# Altium PCB MotherBoard.PcbDoc (part 2 of 10)
Units mm, origin at the board's own origin, x right, y up, seen from the top; angles counter-clockwise.
Board outline 200 x 200 mm, 8 copper layers (Top Layer, Ground, Signal Layer 1, Power, Power 2, Signal Layer 2, Ground 2, Bottom Layer), stack 1.494 mm thick; 819 components, 704 nets, 3400 pads, 2339 vias.
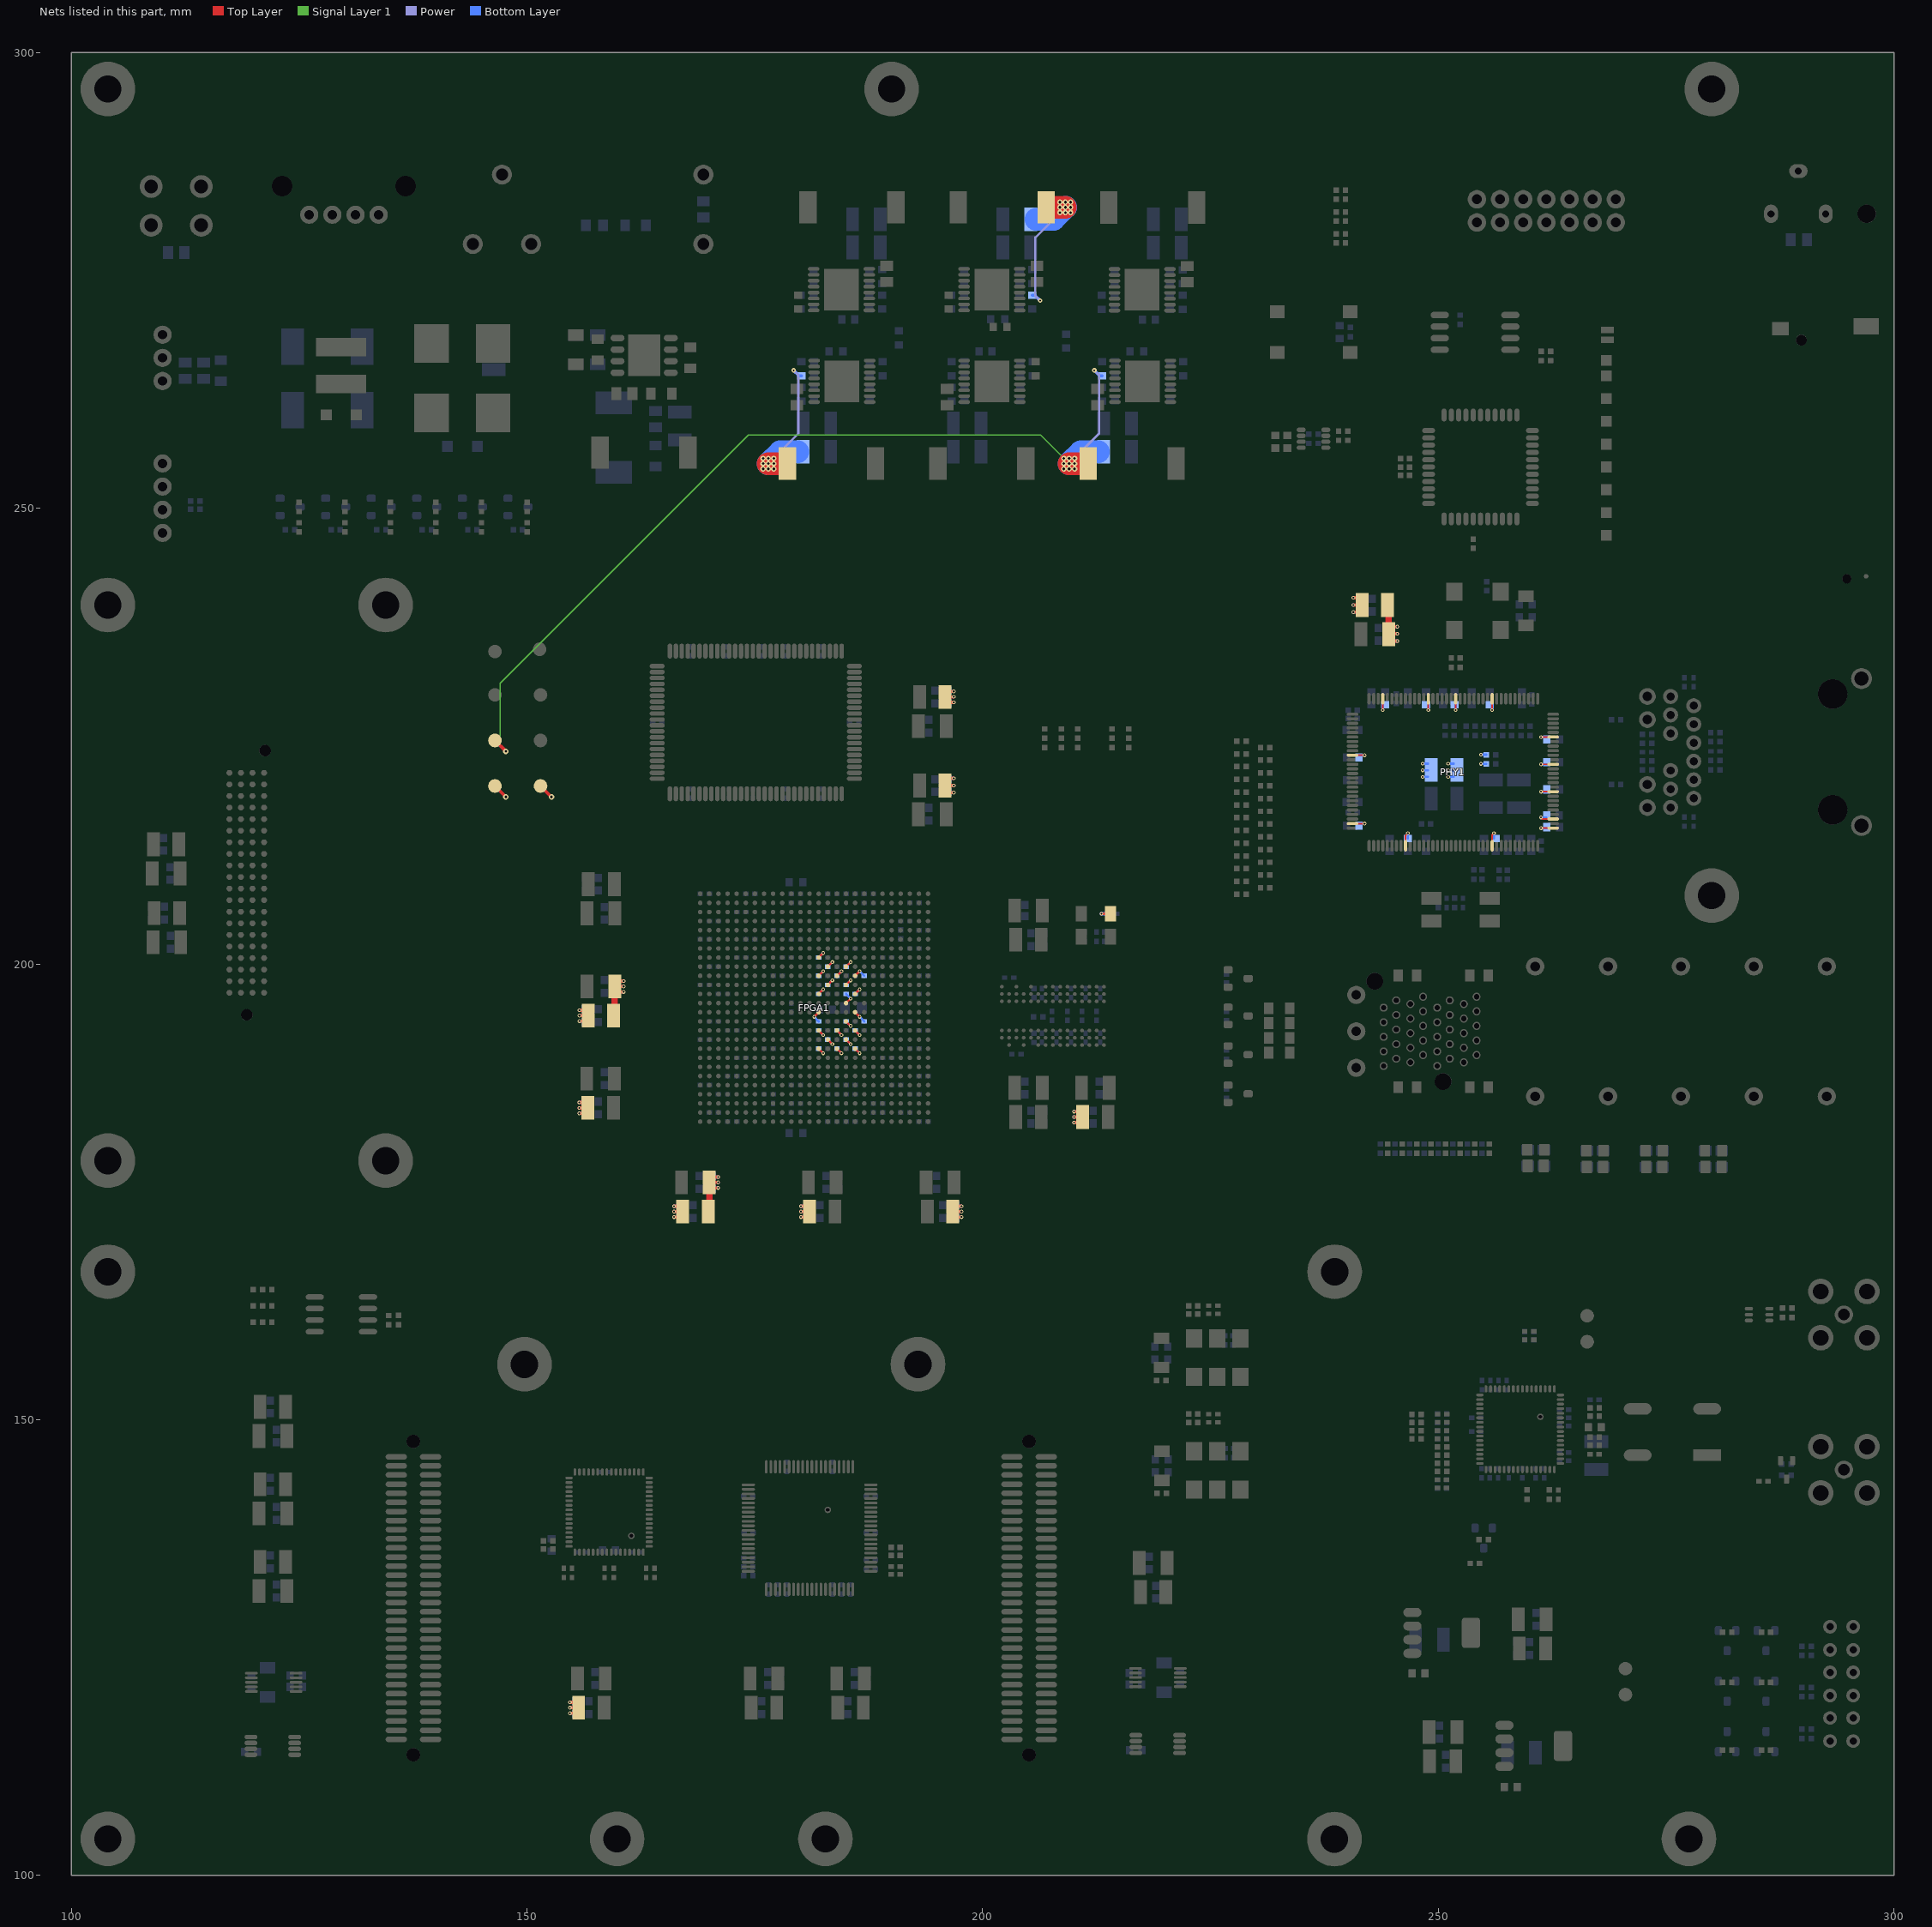
[diagram p8: the nets of this part, all layers, seen from the top]

## Footprints (in the part's own frame and the unit in brackets; to place one, negate y for a bottom-side part, rotate by r counter-clockwise, add the part's x,y. Pads: shape width x height; smd on the part's side, far side on the other; paste and mask are expansions set on the pad) (continued)
FGG676 [mm] "BGA, 676-Balls, Body 27x27mm, Pitch 1.0mm"
  round 0.5 smd: A1(-12.5,12.5) A2(-11.5,12.5) A3(-10.5,12.5) A4(-9.5,12.5) A5(-8.5,12.5) A6(-7.5,12.5) A7(-6.5,12.5) A8(-5.5,12.5) A9(-4.5,12.5) A10(-3.5,12.5) A11(-2.5,12.5) A12(-1.5,12.5) A13(-0.5,12.5) A14(0.5,12.5) A15(1.5,12.5) A16(2.5,12.5) A17(3.5,12.5) A18(4.5,12.5) A19(5.5,12.5) A20(6.5,12.5) A21(7.5,12.5) A22(8.5,12.5) A23(9.5,12.5) A24(10.5,12.5) A25(11.5,12.5) A26(12.5,12.5) AA1(-12.5,-7.5) AA2(-11.5,-7.5) AA3(-10.5,-7.5) AA4(-9.5,-7.5) AA5(-8.5,-7.5) AA6(-7.5,-7.5) AA7(-6.5,-7.5) AA8(-5.5,-7.5) AA9(-4.5,-7.5) AA10(-3.5,-7.5) AA11(-2.5,-7.5) AA12(-1.5,-7.5) AA13(-0.5,-7.5) AA14(0.5,-7.5) AA15(1.5,-7.5) AA16(2.5,-7.5) AA17(3.5,-7.5) AA18(4.5,-7.5) AA19(5.5,-7.5) AA20(6.5,-7.5) AA21(7.5,-7.5) AA22(8.5,-7.5) AA23(9.5,-7.5) AA24(10.5,-7.5) AA25(11.5,-7.5) AA26(12.5,-7.5) AB1(-12.5,-8.5) AB2(-11.5,-8.5) AB3(-10.5,-8.5) AB4(-9.5,-8.5) AB5(-8.5,-8.5) AB6(-7.5,-8.5) AB7(-6.5,-8.5) AB8(-5.5,-8.5) AB9(-4.5,-8.5) AB10(-3.5,-8.5) AB11(-2.5,-8.5) AB12(-1.5,-8.5) AB13(-0.5,-8.5) AB14(0.5,-8.5) AB15(1.5,-8.5) AB16(2.5,-8.5) AB17(3.5,-8.5) AB18(4.5,-8.5) AB19(5.5,-8.5) AB20(6.5,-8.5) AB21(7.5,-8.5) AB22(8.5,-8.5) AB23(9.5,-8.5) AB24(10.5,-8.5) AB25(11.5,-8.5) AB26(12.5,-8.5) AC1(-12.5,-9.5) AC2(-11.5,-9.5) AC3(-10.5,-9.5) AC4(-9.5,-9.5) AC5(-8.5,-9.5) AC6(-7.5,-9.5) AC7(-6.5,-9.5) AC8(-5.5,-9.5) AC9(-4.5,-9.5) AC10(-3.5,-9.5) AC11(-2.5,-9.5) AC12(-1.5,-9.5) AC13(-0.5,-9.5) AC14(0.5,-9.5) AC15(1.5,-9.5) AC16(2.5,-9.5) AC17(3.5,-9.5) AC18(4.5,-9.5) AC19(5.5,-9.5) AC20(6.5,-9.5) AC21(7.5,-9.5) AC22(8.5,-9.5) AC23(9.5,-9.5) AC24(10.5,-9.5) AC25(11.5,-9.5) AC26(12.5,-9.5) AD1(-12.5,-10.5) AD2(-11.5,-10.5) AD3(-10.5,-10.5) AD4(-9.5,-10.5) AD5(-8.5,-10.5) AD6(-7.5,-10.5) AD7(-6.5,-10.5) AD8(-5.5,-10.5) AD9(-4.5,-10.5) AD10(-3.5,-10.5) AD11(-2.5,-10.5) AD12(-1.5,-10.5) AD13(-0.5,-10.5) AD14(0.5,-10.5) AD15(1.5,-10.5) AD16(2.5,-10.5) AD17(3.5,-10.5) AD18(4.5,-10.5) AD19(5.5,-10.5) AD20(6.5,-10.5) AD21(7.5,-10.5) AD22(8.5,-10.5) AD23(9.5,-10.5) AD24(10.5,-10.5) AD25(11.5,-10.5) AD26(12.5,-10.5) AE1(-12.5,-11.5) AE2(-11.5,-11.5) AE3(-10.5,-11.5) AE4(-9.5,-11.5) AE5(-8.5,-11.5) AE6(-7.5,-11.5) AE7(-6.5,-11.5) AE8(-5.5,-11.5) AE9(-4.5,-11.5) AE10(-3.5,-11.5) AE11(-2.5,-11.5) AE12(-1.5,-11.5) AE13(-0.5,-11.5) AE14(0.5,-11.5) AE15(1.5,-11.5) AE16(2.5,-11.5) AE17(3.5,-11.5) AE18(4.5,-11.5) AE19(5.5,-11.5) AE20(6.5,-11.5) AE21(7.5,-11.5) AE22(8.5,-11.5) AE23(9.5,-11.5) AE24(10.5,-11.5) AE25(11.5,-11.5) AE26(12.5,-11.5) AF1(-12.5,-12.5) AF2(-11.5,-12.5) AF3(-10.5,-12.5) AF4(-9.5,-12.5) AF5(-8.5,-12.5) AF6(-7.5,-12.5) AF7(-6.5,-12.5) AF8(-5.5,-12.5) AF9(-4.5,-12.5) AF10(-3.5,-12.5) AF11(-2.5,-12.5) AF12(-1.5,-12.5) AF13(-0.5,-12.5) AF14(0.5,-12.5) AF15(1.5,-12.5) AF16(2.5,-12.5) AF17(3.5,-12.5) AF18(4.5,-12.5) AF19(5.5,-12.5) AF20(6.5,-12.5) AF21(7.5,-12.5) AF22(8.5,-12.5) AF23(9.5,-12.5) AF24(10.5,-12.5) AF25(11.5,-12.5) AF26(12.5,-12.5) B1(-12.5,11.5) B2(-11.5,11.5) B3(-10.5,11.5) B4(-9.5,11.5) B5(-8.5,11.5) B6(-7.5,11.5) B7(-6.5,11.5) B8(-5.5,11.5) B9(-4.5,11.5) B10(-3.5,11.5) B11(-2.5,11.5) B12(-1.5,11.5) B13(-0.5,11.5) B14(0.5,11.5) B15(1.5,11.5) B16(2.5,11.5) B17(3.5,11.5) B18(4.5,11.5) B19(5.5,11.5) B20(6.5,11.5) B21(7.5,11.5) B22(8.5,11.5) B23(9.5,11.5) B24(10.5,11.5) B25(11.5,11.5) B26(12.5,11.5) C1(-12.5,10.5) C2(-11.5,10.5) C3(-10.5,10.5) C4(-9.5,10.5) C5(-8.5,10.5) C6(-7.5,10.5) C7(-6.5,10.5) C8(-5.5,10.5) C9(-4.5,10.5) C10(-3.5,10.5) C11(-2.5,10.5) C12(-1.5,10.5) C13(-0.5,10.5) C14(0.5,10.5) C15(1.5,10.5) C16(2.5,10.5) C17(3.5,10.5) C18(4.5,10.5) C19(5.5,10.5) C20(6.5,10.5) C21(7.5,10.5) C22(8.5,10.5) C23(9.5,10.5) C24(10.5,10.5) C25(11.5,10.5) C26(12.5,10.5) D1(-12.5,9.5) D2(-11.5,9.5) D3(-10.5,9.5) D4(-9.5,9.5) D5(-8.5,9.5) D6(-7.5,9.5) D7(-6.5,9.5) D8(-5.5,9.5) D9(-4.5,9.5) D10(-3.5,9.5) D11(-2.5,9.5) D12(-1.5,9.5) D13(-0.5,9.5) D14(0.5,9.5) D15(1.5,9.5) D16(2.5,9.5) D17(3.5,9.5) D18(4.5,9.5) D19(5.5,9.5) D20(6.5,9.5) D21(7.5,9.5) D22(8.5,9.5) D23(9.5,9.5) D24(10.5,9.5) D25(11.5,9.5) D26(12.5,9.5) E1(-12.5,8.5) E2(-11.5,8.5) E3(-10.5,8.5) E4(-9.5,8.5) E5(-8.5,8.5) E6(-7.5,8.5) E7(-6.5,8.5) E8(-5.5,8.5) E9(-4.5,8.5) E10(-3.5,8.5) E11(-2.5,8.5) E12(-1.5,8.5) E13(-0.5,8.5) E14(0.5,8.5) E15(1.5,8.5) E16(2.5,8.5) E17(3.5,8.5) E18(4.5,8.5) E19(5.5,8.5) E20(6.5,8.5) E21(7.5,8.5) E22(8.5,8.5) E23(9.5,8.5) E24(10.5,8.5) E25(11.5,8.5) E26(12.5,8.5) F1(-12.5,7.5) F2(-11.5,7.5) F3(-10.5,7.5) F4(-9.5,7.5) F5(-8.5,7.5) F6(-7.5,7.5) F7(-6.5,7.5) F8(-5.5,7.5) F9(-4.5,7.5) F10(-3.5,7.5) F11(-2.5,7.5) F12(-1.5,7.5) F13(-0.5,7.5) F14(0.5,7.5) F15(1.5,7.5) F16(2.5,7.5) F17(3.5,7.5) F18(4.5,7.5) F19(5.5,7.5) F20(6.5,7.5) F21(7.5,7.5) F22(8.5,7.5) F23(9.5,7.5) F24(10.5,7.5) F25(11.5,7.5) F26(12.5,7.5) G1(-12.5,6.5) G2(-11.5,6.5) G3(-10.5,6.5) G4(-9.5,6.5) G5(-8.5,6.5) G6(-7.5,6.5) G7(-6.5,6.5) G8(-5.5,6.5) G9(-4.5,6.5) G10(-3.5,6.5) G11(-2.5,6.5) G12(-1.5,6.5) G13(-0.5,6.5) G14(0.5,6.5) G15(1.5,6.5) G16(2.5,6.5) G17(3.5,6.5) G18(4.5,6.5) G19(5.5,6.5) G20(6.5,6.5) G21(7.5,6.5) G22(8.5,6.5) G23(9.5,6.5) G24(10.5,6.5) G25(11.5,6.5) G26(12.5,6.5) H1(-12.5,5.5) H2(-11.5,5.5) H3(-10.5,5.5) H4(-9.5,5.5) H5(-8.5,5.5) H6(-7.5,5.5) H7(-6.5,5.5) H8(-5.5,5.5) H9(-4.5,5.5) H10(-3.5,5.5) H11(-2.5,5.5) H12(-1.5,5.5) H13(-0.5,5.5) H14(0.5,5.5) H15(1.5,5.5) H16(2.5,5.5) H17(3.5,5.5) H18(4.5,5.5) H19(5.5,5.5) H20(6.5,5.5) H21(7.5,5.5) H22(8.5,5.5) H23(9.5,5.5) H24(10.5,5.5) H25(11.5,5.5) H26(12.5,5.5) J1(-12.5,4.5) J2(-11.5,4.5) J3(-10.5,4.5) J4(-9.5,4.5) J5(-8.5,4.5) J6(-7.5,4.5) J7(-6.5,4.5) J8(-5.5,4.5) J9(-4.5,4.5) J10(-3.5,4.5) J11(-2.5,4.5) J12(-1.5,4.5) J13(-0.5,4.5) J14(0.5,4.5) J15(1.5,4.5) J16(2.5,4.5) J17(3.5,4.5) J18(4.5,4.5) J19(5.5,4.5) J20(6.5,4.5) J21(7.5,4.5) J22(8.5,4.5) J23(9.5,4.5) J24(10.5,4.5) J25(11.5,4.5) J26(12.5,4.5) K1(-12.5,3.5) K2(-11.5,3.5) K3(-10.5,3.5) K4(-9.5,3.5) K5(-8.5,3.5) K6(-7.5,3.5) K7(-6.5,3.5) K8(-5.5,3.5) K9(-4.5,3.5) K10(-3.5,3.5) K11(-2.5,3.5) K12(-1.5,3.5) K13(-0.5,3.5) K14(0.5,3.5) K15(1.5,3.5) K16(2.5,3.5) K17(3.5,3.5) K18(4.5,3.5) K19(5.5,3.5) K20(6.5,3.5) K21(7.5,3.5) K22(8.5,3.5) K23(9.5,3.5) K24(10.5,3.5) K25(11.5,3.5) K26(12.5,3.5) L1(-12.5,2.5) L2(-11.5,2.5) L3(-10.5,2.5) L4(-9.5,2.5) L5(-8.5,2.5) L6(-7.5,2.5) L7(-6.5,2.5) L8(-5.5,2.5) L9(-4.5,2.5) L10(-3.5,2.5) L11(-2.5,2.5) L12(-1.5,2.5) L13(-0.5,2.5) L14(0.5,2.5) L15(1.5,2.5) L16(2.5,2.5) L17(3.5,2.5) L18(4.5,2.5) L19(5.5,2.5) L20(6.5,2.5) L21(7.5,2.5) L22(8.5,2.5) L23(9.5,2.5) L24(10.5,2.5) L25(11.5,2.5) L26(12.5,2.5) M1(-12.5,1.5) M2(-11.5,1.5) M3(-10.5,1.5) M4(-9.5,1.5) M5(-8.5,1.5) M6(-7.5,1.5) M7(-6.5,1.5) M8(-5.5,1.5) M9(-4.5,1.5) M10(-3.5,1.5) M11(-2.5,1.5) M12(-1.5,1.5) M13(-0.5,1.5) M14(0.5,1.5) M15(1.5,1.5) M16(2.5,1.5) M17(3.5,1.5) M18(4.5,1.5) M19(5.5,1.5) M20(6.5,1.5) M21(7.5,1.5) M22(8.5,1.5) M23(9.5,1.5) M24(10.5,1.5) M25(11.5,1.5) M26(12.5,1.5) N1(-12.5,0.5) N2(-11.5,0.5) N3(-10.5,0.5) N4(-9.5,0.5) N5(-8.5,0.5) N6(-7.5,0.5) N7(-6.5,0.5) N8(-5.5,0.5) N9(-4.5,0.5) N10(-3.5,0.5) N11(-2.5,0.5) N12(-1.5,0.5) N13(-0.5,0.5) N14(0.5,0.5) N15(1.5,0.5) N16(2.5,0.5) N17(3.5,0.5) N18(4.5,0.5) N19(5.5,0.5) N20(6.5,0.5) N21(7.5,0.5) N22(8.5,0.5) N23(9.5,0.5) N24(10.5,0.5) N25(11.5,0.5) N26(12.5,0.5) P1(-12.5,-0.5) P2(-11.5,-0.5) P3(-10.5,-0.5) P4(-9.5,-0.5) P5(-8.5,-0.5) P6(-7.5,-0.5) P7(-6.5,-0.5) P8(-5.5,-0.5) P9(-4.5,-0.5) P10(-3.5,-0.5) P11(-2.5,-0.5) P12(-1.5,-0.5) P13(-0.5,-0.5) P14(0.5,-0.5) P15(1.5,-0.5) P16(2.5,-0.5) P17(3.5,-0.5) P18(4.5,-0.5) P19(5.5,-0.5) P20(6.5,-0.5) P21(7.5,-0.5) P22(8.5,-0.5) P23(9.5,-0.5) P24(10.5,-0.5) P25(11.5,-0.5) P26(12.5,-0.5) R1(-12.5,-1.5) R2(-11.5,-1.5) R3(-10.5,-1.5) R4(-9.5,-1.5) R5(-8.5,-1.5) R6(-7.5,-1.5) R7(-6.5,-1.5) R8(-5.5,-1.5) R9(-4.5,-1.5) R10(-3.5,-1.5) R11(-2.5,-1.5) R12(-1.5,-1.5) R13(-0.5,-1.5) R14(0.5,-1.5) R15(1.5,-1.5) R16(2.5,-1.5) R17(3.5,-1.5) R18(4.5,-1.5) R19(5.5,-1.5) R20(6.5,-1.5) R21(7.5,-1.5) R22(8.5,-1.5) R23(9.5,-1.5) R24(10.5,-1.5) R25(11.5,-1.5) R26(12.5,-1.5) T1(-12.5,-2.5) T2(-11.5,-2.5) T3(-10.5,-2.5) T4(-9.5,-2.5) T5(-8.5,-2.5) T6(-7.5,-2.5) T7(-6.5,-2.5) T8(-5.5,-2.5) T9(-4.5,-2.5) T10(-3.5,-2.5) T11(-2.5,-2.5) T12(-1.5,-2.5) T13(-0.5,-2.5) T14(0.5,-2.5) T15(1.5,-2.5) T16(2.5,-2.5) T17(3.5,-2.5) T18(4.5,-2.5) T19(5.5,-2.5) T20(6.5,-2.5) T21(7.5,-2.5) T22(8.5,-2.5) T23(9.5,-2.5) T24(10.5,-2.5) T25(11.5,-2.5) T26(12.5,-2.5) U1(-12.5,-3.5) U2(-11.5,-3.5) U3(-10.5,-3.5) U4(-9.5,-3.5) U5(-8.5,-3.5) U6(-7.5,-3.5) U7(-6.5,-3.5) U8(-5.5,-3.5) U9(-4.5,-3.5) U10(-3.5,-3.5) U11(-2.5,-3.5) U12(-1.5,-3.5) U13(-0.5,-3.5) U14(0.5,-3.5) U15(1.5,-3.5) U16(2.5,-3.5) U17(3.5,-3.5) U18(4.5,-3.5) U19(5.5,-3.5) U20(6.5,-3.5) U21(7.5,-3.5) U22(8.5,-3.5) U23(9.5,-3.5) U24(10.5,-3.5) U25(11.5,-3.5) U26(12.5,-3.5) V1(-12.5,-4.5) V2(-11.5,-4.5) V3(-10.5,-4.5) V4(-9.5,-4.5) V5(-8.5,-4.5) V6(-7.5,-4.5) V7(-6.5,-4.5) V8(-5.5,-4.5) V9(-4.5,-4.5) V10(-3.5,-4.5) V11(-2.5,-4.5) V12(-1.5,-4.5) V13(-0.5,-4.5) V14(0.5,-4.5) V15(1.5,-4.5) V16(2.5,-4.5) V17(3.5,-4.5) V18(4.5,-4.5) V19(5.5,-4.5) V20(6.5,-4.5) V21(7.5,-4.5) V22(8.5,-4.5) V23(9.5,-4.5) V24(10.5,-4.5) V25(11.5,-4.5) V26(12.5,-4.5) W1(-12.5,-5.5) W2(-11.5,-5.5) W3(-10.5,-5.5) W4(-9.5,-5.5) W5(-8.5,-5.5) W6(-7.5,-5.5) W7(-6.5,-5.5) W8(-5.5,-5.5) W9(-4.5,-5.5) W10(-3.5,-5.5) W11(-2.5,-5.5) W12(-1.5,-5.5) W13(-0.5,-5.5) W14(0.5,-5.5) W15(1.5,-5.5) W16(2.5,-5.5) W17(3.5,-5.5) W18(4.5,-5.5) W19(5.5,-5.5) W20(6.5,-5.5) W21(7.5,-5.5) W22(8.5,-5.5) W23(9.5,-5.5) W24(10.5,-5.5) W25(11.5,-5.5) W26(12.5,-5.5) Y1(-12.5,-6.5) Y2(-11.5,-6.5) Y3(-10.5,-6.5) Y4(-9.5,-6.5) Y5(-8.5,-6.5) Y6(-7.5,-6.5) Y7(-6.5,-6.5) Y8(-5.5,-6.5) Y9(-4.5,-6.5) Y10(-3.5,-6.5) Y11(-2.5,-6.5) Y12(-1.5,-6.5) Y13(-0.5,-6.5) Y14(0.5,-6.5) Y15(1.5,-6.5) Y16(2.5,-6.5) Y17(3.5,-6.5) Y18(4.5,-6.5) Y19(5.5,-6.5) Y20(6.5,-6.5) Y21(7.5,-6.5) Y22(8.5,-6.5) Y23(9.5,-6.5) Y24(10.5,-6.5) Y25(11.5,-6.5) Y26(12.5,-6.5)
  Top Layer lines w0.15: 14.443,13.5 13.5,13.5 13.5,14.443 ; -13.5,-14.389 -13.5,-13.5 -14.389,-13.5
  silkscreen extent -14.28,-13.5 13.5,13.5, body extent -13.5,-13.5 13.5,13.5, height 2.24
Fuse [mm]
  rect 4.24x3.81 smd: 1(-3.81,0) 2(3.81,0)
  silkscreen extent -5,-2.75 5,2.75, body extent -4.92,-2.51 4.91,2.52, height 3.81
G6RL [mm] "Low-profile power relay"
  round 2.2 hole 1.3: 1(-10,-3.81) 2(12.1,-3.81) 3(15.3,3.81) 4(8.9,3.81) 5(-10,3.81)
  silkscreen extent -11.68,-5.33 17.27,5.33, body extent -11.46,-5 17.04,5, height 12.45
"H-DAC 64" [mm]
  round 2.25 hole 2.25 unplated: 0(-6.78,-3.14) 0(6.78,-3.14)
  round 2 hole 1: 1(-3.81,0) 2(-1.27,0) 3(1.27,0) 4(3.81,0)
  silkscreen extent -7.62,-5.97 7.49,4.45, body extent -8.1,-5.72 8.1,7.24, height 22.07
"JTAG Mail" [mil]
  round 80 hole 42: 1(-300,0) 2(-300,100) 3(-200,0) 4(-200,100) 5(-100,0) 6(-100,100) 7(0,0) 8(0,100) 9(100,0) 10(100,100) 11(200,0) 12(200,100) 13(300,0) 14(300,100)
  silkscreen extent -500,-130 500,240, body extent -500,-117 500,231, height 363
JUMPER [mm]
  round 0.5 on Mid1: 1(-0.625,0) 2(0.625,0)
  Ground lines w1: -0.625,0 0.625,0
L0805_Murata_LQG [mm] "Chip Capacitor, Body 2.0x1.3mm, IPC High Density"
  rect 1.1x1.27 smd: 1(-0.94,0) 2(0.94,0)
  body extent -1,-0.6 1,0.6, height 0.95
L1206_Murata [mm]
  rect 1.25x1.7 smd: 1(-1.6,0) 2(1.6,0)
  silkscreen extent -0.76,-1.02 0.76,1.02, body extent -1.6,-0.8 1.6,0.8, height 1.5
L1210_Murata [mm] "Chip Capacitor, Body 3.2x2.5mm, IPC High Density"
  rect 1.4x2.6 smd: 1(-1.473,0) 2(1.422,0)
  silkscreen extent -0.4,-1.2 0.4,1.2, body extent -1.6,-1.25 1.6,1.25, height 1.5
"L1210_Murata LQH" [mm] "Power Lines Inductor"
  rect 1.4x2.6 smd: 1(-1.397,0) 2(1.397,0)
  silkscreen extent -0.4,-1.2 0.4,1.2, body extent -1.6,-1.25 1.6,1.25, height 1.55
LED_0402_Blue [mil]
  rect 23.62x24 smd: 1(-20,0) 2(20,0)
  silkscreen extent -43,-12 -43,12, body extent -20,-10 20,10, height 18
LED_PACK [mm]
  round 1.5 hole 0.8: 1(1.27,1.27) 2(1.27,-1.27) 3(-1.27,-1.27) 4(-1.27,1.27)
  silkscreen extent -2.16,-2.54 2.16,3.81, body extent -2.16,-2.41 2.16,8.36, height 2
LFCSP-64 [mm]
  round 0.7 hole 0.4: 0(2.211,-5.111)
  oval 0.8x0.3 smd: 1(0,0) 2(0,-0.5) 3(0,-1) 4(0,-1.5) 5(0,-2) 6(0,-2.5) 7(0,-3) 8(0,-3.5) 9(0,-4) 10(0,-4.5) 11(0,-5) 12(0,-5.5) 13(0,-6) 14(0,-6.5) 15(0,-7) 16(0,-7.5) 33(8.85,-7.5) 34(8.85,-7) 35(8.85,-6.5) 36(8.85,-6) 37(8.85,-5.5) 38(8.85,-5) 39(8.85,-4.5) 40(8.85,-4) 41(8.85,-3.5) 42(8.85,-3) 43(8.85,-2.5) 44(8.85,-2) 45(8.85,-1.5) 46(8.85,-1) 47(8.85,-0.5) 48(8.85,0)
  oval 0.3x0.8 smd: 17(0.675,-8.175) 18(1.175,-8.175) 19(1.675,-8.175) 20(2.175,-8.175) 21(2.675,-8.175) 22(3.175,-8.175) 23(3.675,-8.175) 24(4.175,-8.175) 25(4.675,-8.175) 26(5.175,-8.175) 27(5.675,-8.175) 28(6.175,-8.175) 29(6.675,-8.175) 30(7.175,-8.175) 31(7.675,-8.175) 32(8.175,-8.175) 49(8.175,0.675) 50(7.675,0.675) 51(7.175,0.675) 52(6.675,0.675) 53(6.175,0.675) 54(5.675,0.675) 55(5.175,0.675) 56(4.675,0.675) 57(4.175,0.675) 58(3.675,0.675) 59(3.175,0.675) 60(2.675,0.675) 61(2.175,0.675) 62(1.675,0.675) 63(1.175,0.675) 64(0.675,0.675)
  Top Layer region: 1.325,-6.85 1.325,-1.55 1.455,-1.52 1.56,-1.437 1.617,-1.317 1.617,-1.183 1.56,-1.063 1.455,-0.98 1.325,-0.95 1.325,-0.95 1.325,-0.65 7.525,-0.65 7.525,-6.85
  silkscreen extent -1.23,-8.47 9.15,1.03, body extent -0.07,-8.25 8.93,0.75, height 0.82
LM201xx [mil]
  oval 50x16 smd: 1(0,0) 2(0,-25.59) 3(0,-51.18) 4(0,-76.77) 6(0,-127.95) 6(0,-153.54) 8(0,-179.13) 8(240,-179.13) 10(240,-153.54) 10(240,-127.95) 12(240,-102.36) 13(240,-76.77) 14(240,-51.18) 15(240,-25.59) 16(240,0) 17(0,-102.36)
  rect 150x180 all layers, no hole: 17(120,-90)
  silkscreen extent -3,-209 209,33, body extent -6,-190 246,11, height 47
LQFP-128 [mm]
  oval 1.27x0.35 smd: 1(0,0) 2(0,-0.5) 3(0,-1) 4(0,-1.5) 5(0,-2) 6(0,-2.5) 7(0,-3) 8(0,-3.5) 9(0,-4) 10(0,-4.5) 11(0,-5) 12(0,-5.5) 13(0,-6) 14(0,-6.5) 15(0,-7) 16(0,-7.5) 17(0,-8) 18(0,-8.5) 19(0,-9) 20(0,-9.5) 21(0,-10) 22(0,-10.5) 23(0,-11) 24(0,-11.5) 25(0,-12) 26(0,-12.5) 27(0,-13) 28(0,-13.5) 29(0,-14) 30(0,-14.5) 31(0,-15) 32(0,-15.5) 33(0,-16) 34(0,-16.5) 35(0,-17) 36(0,-17.5) 37(0,-18) 38(0,-18.5) 65(16.129,-18.5) 66(16.129,-18) 67(16.129,-17.5) 68(16.129,-17) 69(16.129,-16.5) 70(16.129,-16) 71(16.129,-15.5) 72(16.129,-15) 73(16.129,-14.5) 74(16.129,-14) 75(16.129,-13.5) 76(16.129,-13) 77(16.129,-12.5) 78(16.129,-12) 79(16.129,-11.5) 80(16.129,-11) 81(16.129,-10.5) 82(16.129,-10) 83(16.129,-9.5) 84(16.129,-9) 85(16.129,-8.5) 86(16.129,-8) 87(16.129,-7.5) 88(16.129,-7) 89(16.129,-6.5) 90(16.129,-6) 91(16.129,-5.5) 92(16.129,-5) 93(16.129,-4.5) 94(16.129,-4) 95(16.129,-3.5) 96(16.129,-3) 97(16.129,-2.5) 98(16.129,-2) 99(16.129,-1.5) 100(16.129,-1) 101(16.129,-0.5) 102(16.129,0)
  oval 0.35x1.27 smd: 39(1.7,-20.32) 40(2.2,-20.32) 41(2.7,-20.32) 42(3.2,-20.32) 43(3.7,-20.32) 44(4.2,-20.32) 45(4.7,-20.32) 46(5.2,-20.32) 47(5.7,-20.32) 48(6.2,-20.32) 49(6.7,-20.32) 50(7.2,-20.32) 51(7.7,-20.32) 52(8.2,-20.32) 53(8.7,-20.32) 54(9.2,-20.32) 55(9.7,-20.32) 56(10.2,-20.32) 57(10.7,-20.32) 58(11.2,-20.32) 59(11.7,-20.32) 60(12.2,-20.32) 61(12.7,-20.32) 62(13.2,-20.32) 63(13.7,-20.32) 64(14.2,-20.32) 103(14.2,1.7) 104(13.7,1.7) 105(13.2,1.7) 106(12.7,1.7) 107(12.2,1.7) 108(11.7,1.7) 109(11.2,1.7) 110(10.7,1.7) 111(10.2,1.7) 112(9.7,1.7) 113(9.2,1.7) 114(8.7,1.7) 115(8.2,1.7) 116(7.7,1.7) 117(7.2,1.7) 118(6.7,1.7) 119(6.2,1.7) 120(5.7,1.7) 121(5.2,1.7) 122(4.7,1.7) 123(4.2,1.7) 124(3.7,1.7) 125(3.2,1.7) 126(2.7,1.7) 127(2.2,1.7) 128(1.7,1.7)
  silkscreen extent -1.02,-20.4 16.1,1.7, body extent -0.03,-20.48 16.18,1.73, height 1.51
Mechanical_Via [mm] "Mechanical_Via"
  round 6 hole 3: 0(0,0)
Molex_465572545 [mm] "CONN FML 80POS 4ROWS GOLD"
  round 6 hole 3: 0(-30.48,-15.24) 0(-30.48,15.24) 0(30.48,-15.24) 0(30.48,15.24)
  round 1.27 hole 1.27 unplated: 0(-14.495,0) 0(14.495,-2.01)
  round 0.64 smd: 1(12.065,-1.905) 2(10.795,-1.905) 3(9.525,-1.905) 4(8.255,-1.905) 5(6.985,-1.905) 6(5.715,-1.905) 7(4.445,-1.905) 8(3.175,-1.905) 9(1.905,-1.905) 10(0.635,-1.905) 11(-0.635,-1.905) 12(-1.905,-1.905) 13(-3.175,-1.905) 14(-4.445,-1.905) 15(-5.715,-1.905) 16(-6.985,-1.905) 17(-8.255,-1.905) 18(-9.525,-1.905) 19(-10.795,-1.905) 20(-12.065,-1.905) 21(12.065,-0.635) 22(10.795,-0.635) 23(9.525,-0.635) 24(8.255,-0.635) 25(6.985,-0.635) 26(5.715,-0.635) 27(4.445,-0.635) 28(3.175,-0.635) 29(1.905,-0.635) 30(0.635,-0.635) 31(-0.635,-0.635) 32(-1.905,-0.635) 33(-3.175,-0.635) 34(-4.445,-0.635) 35(-5.715,-0.635) 36(-6.985,-0.635) 37(-8.255,-0.635) 38(-9.525,-0.635) 39(-10.795,-0.635) 40(-12.065,-0.635) 41(12.065,0.635) 42(10.795,0.635) 43(9.525,0.635) 44(8.255,0.635) 45(6.985,0.635) 46(5.715,0.635) 47(4.445,0.635) 48(3.175,0.635) 49(1.905,0.635) 50(0.635,0.635) 51(-0.635,0.635) 52(-1.905,0.635) 53(-3.175,0.635) 54(-4.445,0.635) 55(-5.715,0.635) 56(-6.985,0.635) 57(-8.255,0.635) 58(-9.525,0.635) 59(-10.795,0.635) 60(-12.065,0.635) 61(12.065,1.905) 62(10.795,1.905) 63(9.525,1.905) 64(8.255,1.905) 65(6.985,1.905) 66(5.715,1.905) 67(4.445,1.905) 68(3.175,1.905) 69(1.905,1.905) 70(0.635,1.905) 71(-0.635,1.905) 72(-1.905,1.905) 73(-3.175,1.905) 74(-4.445,1.905) 75(-5.715,1.905) 76(-6.985,1.905) 77(-8.255,1.905) 78(-9.525,1.905) 79(-10.795,1.905) 80(-12.065,1.905)
  silkscreen extent -16,-3.56 16.51,3.56, body extent -16.03,-3.51 16.54,3.56, height 7.98
MSOP-8 [mm] "MSOP, 8-Leads"
  oval 1.4x0.5 smd: 1(-2.4,0.975) 2(-2.4,0.325) 3(-2.4,-0.325) 4(-2.4,-0.975) 5(2.4,-0.975) 6(2.4,-0.325) 7(2.4,0.325) 8(2.4,0.975)
  silkscreen extent -2.79,-1.78 1.91,1.88, body extent -2.57,-1.6 2.58,1.6, height 1.01
MSOP-10 [mm] "MSOP, 10-Leads"
  oval 1.4x0.3 smd: 1(-2.45,1) 2(-2.45,0.5) 3(-2.45,0) 4(-2.45,-0.5) 5(-2.45,-1) 6(2.45,-1) 7(2.45,-0.5) 8(2.45,0) 9(2.45,0.5) 10(2.45,1)
  silkscreen extent -2.92,-1.78 1.91,1.78, body extent -2.57,-1.6 2.58,1.6, height 1.09
QFN-64 [mm]
  round 0.7 hole 0.4: 0(1.8,-6.2)
  oval 0.8x0.3 smd: 1(0,0) 2(0,-0.5) 3(0,-1) 4(0,-1.5) 5(0,-2) 6(0,-2.5) 7(0,-3) 8(0,-3.5) 9(0,-4) 10(0,-4.5) 11(0,-5) 12(0,-5.5) 13(0,-6) 14(0,-6.5) 15(0,-7) 16(0,-7.5) 33(8.8,-7.5) 34(8.8,-7) 35(8.8,-6.5) 36(8.8,-6) 37(8.8,-5.5) 38(8.8,-5) 39(8.8,-4.5) 40(8.8,-4) 41(8.8,-3.5) 42(8.8,-3) 43(8.8,-2.5) 44(8.8,-2) 45(8.8,-1.5) 46(8.8,-1) 47(8.8,-0.5) 48(8.8,0)
  oval 0.3x0.8 smd: 17(0.65,-8.15) 18(1.15,-8.15) 19(1.65,-8.15) 20(2.15,-8.15) 21(2.65,-8.15) 22(3.15,-8.15) 23(3.65,-8.15) 24(4.15,-8.15) 25(4.65,-8.15) 26(5.15,-8.15) 27(5.65,-8.15) 28(6.15,-8.15) 29(6.65,-8.15) 30(7.15,-8.15) 31(7.65,-8.15) 32(8.15,-8.15) 49(8.15,0.65) 50(7.65,0.65) 51(7.15,0.65) 52(6.65,0.65) 53(6.15,0.65) 54(5.65,0.65) 55(5.15,0.65) 56(4.65,0.65) 57(4.15,0.65) 58(3.65,0.65) 59(3.15,0.65) 60(2.65,0.65) 61(2.15,0.65) 62(1.65,0.65) 63(1.15,0.65) 64(0.65,0.65)
  Top Layer region: 0.825,-7.325 7.975,-7.325 7.975,-0.2 0.825,-0.2
  silkscreen extent -1.06,-8.51 9.14,1.02, body extent -0.11,-8.26 8.91,0.76, height 0.8
R0402 [mil]
  rect 23.62x24 smd: 1(-20,0) 2(20,0)
  body extent -20,-12 20,12, height 13
R0402_Switch [mil]
  rect 23.62x24 smd: 1(-40,0) 2(0,0) 3(40,0)
  body extent -40,-12 0,12, height 13
R0603 [mm] "Chip Capacitor, Body 1.6x0.8mm, IPC High Density"
  rect 0.8x0.9 smd: 1(-0.762,0) 2(0.762,0)
  body extent -0.85,-0.4 0.85,0.4, height 0.56
R0805 [mm]
  rect 1.05x1.3 smd: 1(-1.15,0) 2(1.15,0)
  body extent -1.15,-0.67 1.15,0.68, height 0.76